# Altium PCB DIOT_PSU_integrated.PcbDoc (part 1 of 3) (continued)
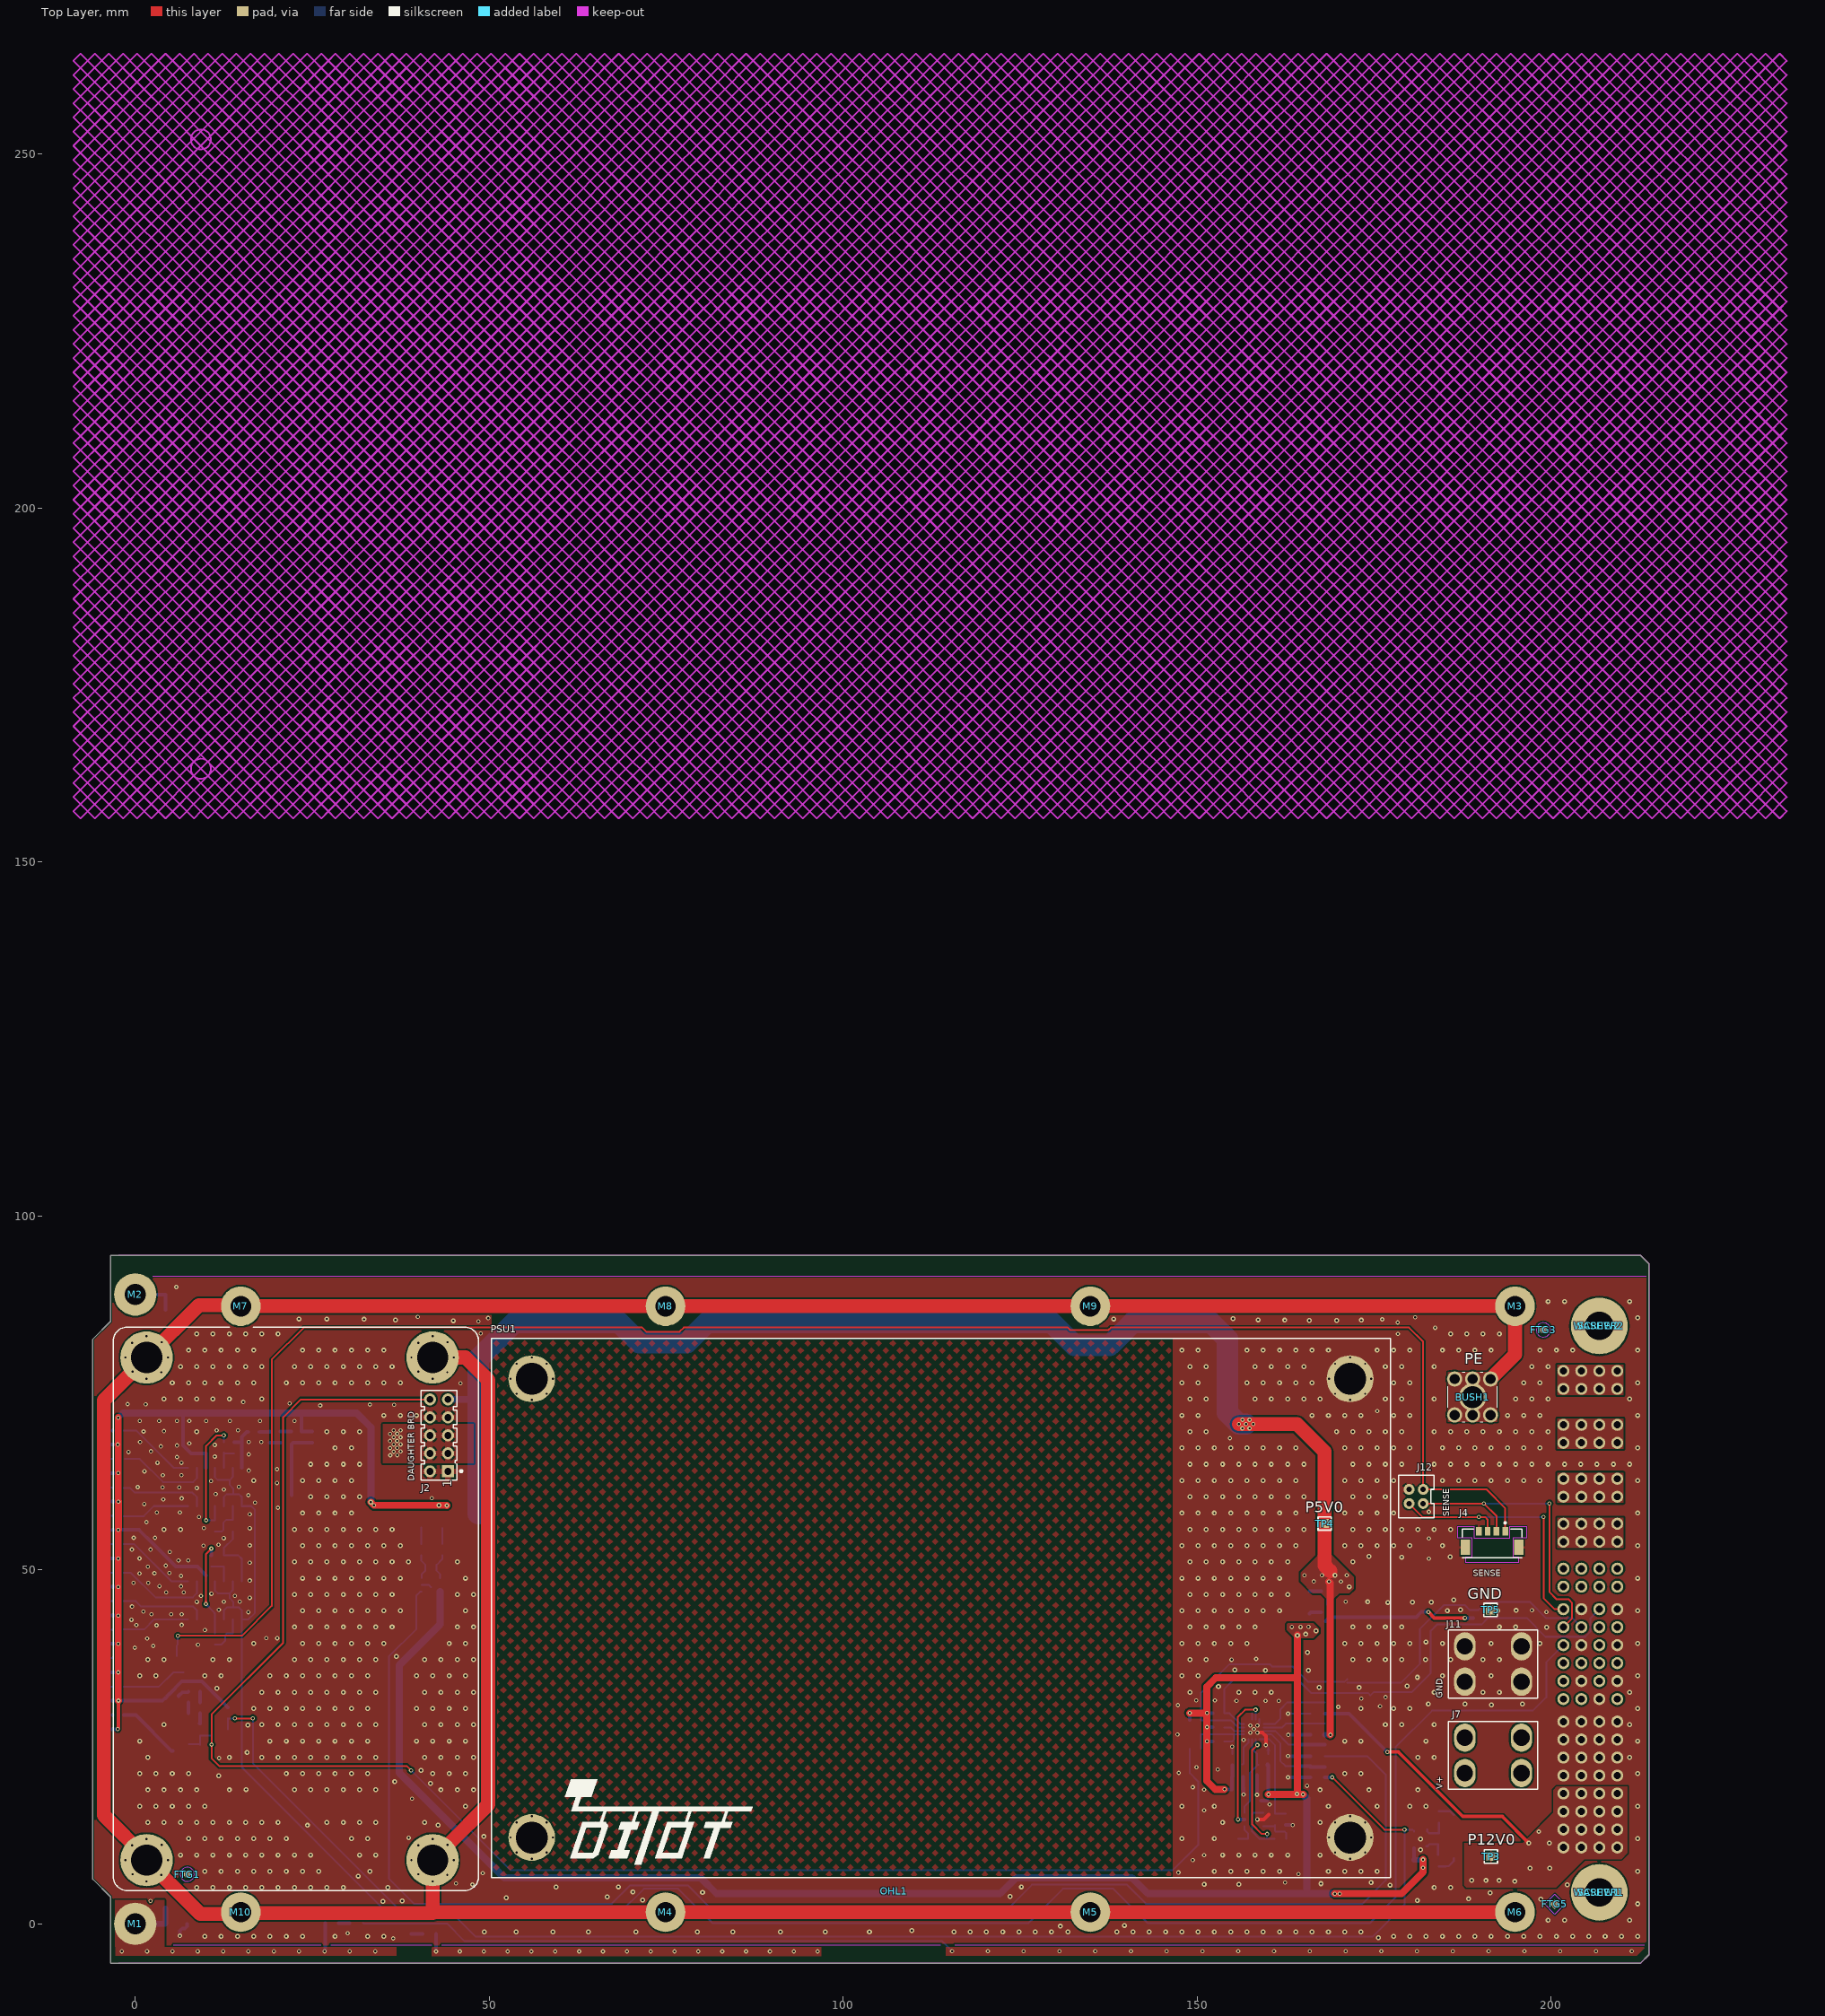
[diagram p0: Top Layer view]
## Part data
BUSH1: library part WURTH_7461057, "Bush", Manufacturer=WURTH, Manufacturer Part Number=7461057, Author="CERN DEM JLC", Component Type=Standard, ComponentHeight=6mm, CreateDate=13.08.2018, HelpURL=\\cern.ch\dfs\Applications\Altium\Datasheets\WURTH_7461057.pdf, LatestRevisionDate=13.08.2018, Mounted=Yes, PackageDescription="7x7x6mm REDCUBE Press-Fit with Internsl Threaded Hole M3,Two Rows Pin-Plate WP-BUTR", Part Description="REDCUBE Bush with Threaded Hole M3 and Two Rows Press-Fit Pin-Plate, WP-BUTR Series", Part Number=WURTH_7461057, Pin Count=6, PressFit=Yes, Sense=No, SMD=No, Socket=No, Status=None
C1 C2: library part CC1206_22PF_200V_1%_C0G_KEMET_C1206C220F2GAC, "Non-polarised capacitor", Case=1206, Manufacturer=KEMET, Manufacturer Part Number=C1206C220F2GAC, Tolerance=±1%, Voltage=200V, Author="CERN DEM HF", Component Type=Standard, ComponentHeight=1.8mm, CreateDate=11.07.2022, HelpURL=\\cern.ch\dfs\Applications\Altium\Datasheets\CC1206_KEMET_C1206C_C0G.pdf, LatestRevisionDate=11.07.2022, Mounted=Yes, Part Description="High Voltage, SMD Multilayer Chip Ceramic Capacitor", Part Number=CC1206_22PF_200V_1%_C0G_KEMET_C1206C220F2GAC, Pin Count=2, Sense=No, SMD=Yes, Socket=No, Status="Not Recommended", TC=C0G/NP0
C3 C4 C5 C12 C13 C16 C19 C21 C22 C23 C26 C27 C28 C29 C30 C31 C34: library part CC0603_100NF_50V_10%_X5R, "Non-polarised capacitor", Case=0603, Manufacturer=GENERIC, Manufacturer1 ComponentHeight=0.9mm, Manufacturer1 Example=TDK, Manufacturer1 Part Number=C1608X5R1H104K080, Tolerance=±10%, Voltage=50V, Author="CERN DEM MR", Component Type=Standard, CreateDate=08.01.2016, HelpURL=\\cern.ch\dfs\Applications\Altium\Datasheets\CC0603_X5R_TDK_C.pdf, LatestRevisionDate=08.01.2016, Manufacturer Part Number=CC0603_100NF_50V_10%_X5R, Mounted=Yes, Part Description="SMD Multilayer Chip Ceramic Capacitor", Part Number=CC0603_100NF_50V_10%_X5R, Pin Count=2, Sense=No, SMD=Yes, Socket=No, Status=None, TC=X5R
C14 C15 C20 C24 C32: library part CC0603_1UF_16V_10%_X7R, "Non-polarised capacitor", Case=0603, Manufacturer=GENERIC, Manufacturer1 ComponentHeight=0.9mm, Manufacturer1 Example="YAGEO PHYCOMP", Manufacturer1 Part Number=223878615663, Tolerance=±10%, Voltage=16V, Author="CERN DEM JLC", Component Type=Standard, CreateDate=03.12.2007, HelpURL=\\cern.ch\dfs\Applications\Altium\Datasheets\CC0603_X7R_PHYCOMP.pdf, LatestRevisionDate=17.04.2015, Manufacturer Part Number=CC0603_1UF_16V_10%_X7R, Mounted=Yes, Part Description="SMD Multilayer Chip Ceramic Capacitor", Part Number=CC0603_1UF_16V_10%_X7R, Pin Count=2, Sense=No, SMD=Yes, Socket=No, Status=None, TC=X7R
D1: "ESD protection diode", Case=SOD523, Manufacturer="NXP SEMICONDUCTORS", Power=330W, Voltage=3V3, Author="CERN DEM JLC", Bonding=No, Component Type=Standard, ComponentHeight=0.65mm, CreateDate=29.11.2012, Device=PESD3V3S1UB, HelpURL=\\cern.ch\dfs\Applications\Altium\Datasheets\PESD3V3S1UB.pdf, LatestRevisionDate=29.11.2012, Manufacturer Part Number=PESD3V3S1UB, Mounted=Yes, PackageDescription="Ultra Small Outline Diode Flat Lead (SOD-523), Body; 1.2mm L X 0.8mm W X 0.65mm H, IPC Medium Density", Part Description="ESD protection diode (23kV)", Part Number=PESD3V3S1UB, Pin Count=2, PressFit=No, Sense=No, SMD=Yes, Socket=No
D3: "10.5V Clamp 58.1A Ipp Tvs Diode Surface Mount SMB", Case=SMB, Manufacturer=Eaton, Power=600W, Voltage=15V, Author=LPA, Bonding=No, Component Type=Standard, ComponentHeight=2.61mm, CreateDate=2.04.2025, Device=P6SMB6-8A, HelpURL=https://www.eaton.com/content/dam/eaton/products/electronic-components/resources/data-sheet/eaton-p6smb-tvs-diode-power-esd-suppressor-data-sheet.pdf, LatestRevisionDate=2.04.2025, Manufacturer Part Number=P6SMB6-8A, Mounted=Yes, PackageDescription="DO-214-AA/SMB Diode, Molded Body; 5.40mm L X 3.62mm W X 2.61mm H, IPC Medium Density", Part Description="Uni-directional Transient Voltage Suppressor (TVS) Diode", Part Number=P6SMB6-8A, Pin Count=2, PressFit=No, Sense=No, SMD=Yes, Socket=No
D4: "Ultra Low Capacitance Double Rail-to-Rail ESD Protection Diode", Case=SOT143B, Manufacturer="NXP SEMICONDUCTORS", Voltage=5.5V, Author="CERN DEM JLC", Bonding=No, Component Type=Standard, ComponentHeight=1.1mm, CreateDate=22.03.2011, Device=PRTR5V0U2X, HelpURL=\\cern.ch\dfs\Applications\Altium\Datasheets\PRTR5V0U2X.pdf, LatestRevisionDate=22.03.2011, Manufacturer Part Number=PRTR5V0U2X, Mounted=Yes, PackageDescription="SOT143B, SOT, 1.90mm Pitch; 4 Pin, 1.30mm W X 2.90mm L X 1.10mm H body, IPC Medium Density", Part Description="Ultra Low Capacitance (1pF) Double Rail-to-Rail ESD Protection Diode (8kV)", Part Number=PRTR5V0U2X, Pin Count=4, PressFit=No, Sense=No, SMD=Yes, Socket=No
D5: "Transient Voltage Suppressor Diode (Uni-Directional)", Case=SMB, Manufacturer=LITTELFUSE, Power=600W, Voltage=15V, Author="CERN DEM JLC", Bonding=No, Component Type=Standard, ComponentHeight=2.61mm, CreateDate=12.07.2017, Device=P6SMB15A, HelpURL=\\cern.ch\dfs\Applications\Altium\Datasheets\P6SMB15A.pdf, LatestRevisionDate=12.07.2017, Manufacturer Part Number=P6SMB15A, Mounted=Yes, PackageDescription="DO-214-AA/SMB Diode, Molded Body; 5.40mm L X 3.62mm W X 2.61mm H, IPC Medium Density", Part Description="Uni-directional Transient Voltage Suppressor (TVS) Diode", Part Number=P6SMB15A, Pin Count=2, PressFit=No, Sense=No, SMD=Yes, Socket=No
FTG1 FTG2 FTG3 FTG4: library part FIDUCIAL_TARGET_C100-200, "Fiducial Target", Author="CERN DEM JLC", Component Type="Standard (No BOM)", ComponentHeight=0mm, CreateDate=09/02/2010, Family=Fiducial, HelpURL=Undefined, LatestRevisionDate=04/04/2012, Mounted=No, PackageDescription="Round Fiducial Target, Top Layer, 1.0mm, Top Solder 2.0mm, Keepout =2.0mm", Part Description="Round Fiducial Target, Top Layer, 1.0mm, Top Solder 2.0mm, Keepout =2.0mm", Part Number=FIDUCIAL_TARGET_C100-200, Pin Count=1, Sense=No, SMD=Yes, Socket=No, Status=None, Table=Pads
FTG5 FTG6: library part FIDUCIAL_TARGET_S100-200, "Fiducial Target", Author="CERN DEM JLC", Component Type="Standard (No BOM)", ComponentHeight=0mm, CreateDate=09.02.2010, Family=Fiducial, HelpURL=Undefined, LatestRevisionDate=04.04.2012, Mounted=No, PackageDescription="Square Fiducial Target, Top Layer, 1.0mm, Top Solder 2.0mm, Keepout =2.0mm", Part Description="Square Fiducial Target, Top Layer, 1.0mm, Top Solder 2.0mm, Keepout =2.0mm", Part Number=FIDUCIAL_TARGET_S100-200, Pin Count=1, Sense=No, SMD=Yes, Socket=No, Status=None
IC1 IC3: "Quad Operational Amplifier", Case=SOIC14, Manufacturer="TEXAS INSTRUMENTS", Author="CERN DEM JLC", Bonding=No, Component Type=Standard, ComponentHeight=1.75mm, CreateDate=09.03.2011, Device=LM339AD, HelpURL=\\cern.ch\dfs\Applications\Altium\Datasheets\LM339AD.pdf, LatestRevisionDate=09.03.2011, Manufacturer Part Number=LM339AD, Mounted=Yes, PackageDescription="SOIC 14, Pitch 1.27mm - Body 4x8.75mm, IPC Medium Density", Part Description="Quad Differential Comparator", Part Number=LM339AD, Pin Count=14, PressFit=No, Sense=No, SMD=Yes, Socket=No
IC2: "Precision Programmable Reference", Case=SOIC8, Manufacturer="TEXAS INSTRUMENTS", Author="CERN DEM JLC", Bonding=No, Component Type=Standard, ComponentHeight=1.75mm, CreateDate=18.01.2011, Device=TL431CD, HelpURL=\\cern.ch\dfs\Applications\Altium\Datasheets\TL431CD.pdf, LatestRevisionDate=28.02.2011, Manufacturer Part Number=TL431CD, Mounted=Yes, PackageDescription="SOIC 8, Pitch 1.27mm, Body 4x5mm, IPC Medium Density", Part Description="Vref (2.5V) To 36V 2% Precision Programmable Reference", Part Number=TL431CD, Pin Count=8, PressFit=No, Sense=No, SMD=Yes, Socket=No
IC6: "General Purpose Amplifier 1 Circuit Rail-to-Rail SOT-23-6", Case=SOT-23-6, Manufacturer="Texas Instruments", Manufacturer Part Number=TLV2780IDBVT, Part Number=ADS7924IRTE, Author=LPA, Component Type=Standard, ComponentHeight=1.45mm, CreateDate=2025-03-27, Device=TLV2780, HelpURL=https://www.ti.com/lit/ds/symlink/tlv2780.pdf?ts=1743037907792&ref_url=https%253A%252F%252Fwww.ti.com%252Fproduct%252FTLV2780%253FkeyMatch%253DTLV2780%2526tisearch%253Duniversal_search, LatestRevisionDate=2025-03-27, Mounted=Yes, PackageDescription="SOT-23 - 1.45 mm max height", Part Description="ADS7924 2.2 V, 12-Bit, 4-Channel, MicroPOWER", Pin Count=6, SMD=Yes, Socket=No, Table="Analog & Interface"
IC7: "1.7V-5.5V, 2K I2C™ Serial EEPROMs with EUI-48™ Node Identity", Case=SOIC8, Manufacturer="MICROCHIP TECHNOLOGY", Author="CERN DEM MR", Bonding=No, Component Type=Standard, ComponentHeight=1.75mm, CreateDate=19.07.2016, Device=24AA025E48-I/SN, HelpURL=\\cern.ch\dfs\Applications\Altium\Datasheets\24AA025E48-I-SN.pdf, LatestRevisionDate=19.07.2016, Manufacturer Part Number=24AA025E48-I/SN, Mounted=Yes, PackageDescription="SOIC 8, Pitch 1.27mm - Body 4x5mm, IPC Medium Density", Part Description="1.7V-5.5V, 2K I2C™ Serial EEPROMs with EUI-48™ Node Identity", Part Number=24AA025E48-I/SN, Pin Count=8, PressFit=No, Sense=No, SMD=Yes, Socket=No
IC8: library part ADS7924, "12 Bit Analog to Digital Converter 4 Input 1 SAR 16-WQFN (3x3)", Case=WQFN, Manufacturer="Texas Instruments", Manufacturer Part Number=ADS7924IRTET, Author=LPA, Component Type=Standard, ComponentHeight=0.8mm, CreateDate=2025-03-27, Device=ADS7924IRTE, HelpURL=https://www.ti.com/lit/ds/symlink/ads7924.pdf?ts=1742979903157&ref_url=https%253A%252F%252Fwww.google.com%252F, LatestRevisionDate=2025-03-27, Mounted=Yes, PackageDescription="PLASTIC QUAD FLATPACK - NO LEAD", Part Description="ADS7924 2.2 V, 12-Bit, 4-Channel, MicroPOWER", Part Number=ADS7924IRTE, Pin Count=16, SMD=Yes, Socket=No, Table="Analog & Interface"
IC9: "3-Terminal Regulator 1=OUT 2=GND 3=IN", Case=SOT89, Manufacturer="ST MICROELECTRONICS", Author="CERN DEM JLC", Bonding=No, Component Type=Standard, ComponentHeight=1.6mm, CreateDate=12.05.2014, Device=L78L33ACUTR, HelpURL=\\cern.ch\dfs\Applications\Altium\Datasheets\L78L33ACUTR.pdf, LatestRevisionDate=12.05.2014, Manufacturer Part Number=L78L33ACUTR, Mounted=Yes, PackageDescription="SOT89-3, 3-Leads, Body 2.44x4.5mm", Part Description="33V 100mA Positive Voltage Regulator", Part Number=L78L33ACUTR, Pin Count=4, PressFit=No, Sense=No, SMD=Yes, Socket=No
IC10 IC11: "Current Shunt Monitor -16V to +80V Common-Mode Range", Case=SOT23-5, Manufacturer="TEXAS INSTRUMENTS", Manufacturer Part Number=INA194AIDBV, Author="CERN DEM JLC", Bonding=No, Component Type=Standard, ComponentHeight=1.45mm, CreateDate=10.05.2010, Device=INA194AIDBVT, HelpURL=\\cern.ch\dfs\Applications\Altium\Datasheets\INA194AIDBVT.pdf, LatestRevisionDate=10.05.2010, Mounted=Yes, PackageDescription="SOT, 0.95mm Pitch; 5 Pin, 1.60mm W X 2.90mm L X 1.45mm H body, IPC Medium Density", Part Description="Current Shunt Monitor -16V to +80V Common-Mode Range", Part Number=INA194AIDBVT, Pin Count=5, PressFit=No, Sense=No, SMD=Yes, Socket=No
J1: library part AMPHENOL_51939-667, "Thru-Hole, Lead 3.43mm, PowerBlade Right Angled Power Connector 3ACP 2P 24S 4P Contacts", Manufacturer=AMPHENOL, Manufacturer Part Number=51939-667, Author="CERN DEM JLC", Component Type=Standard, ComponentHeight=12.57mm, CreateDate=05.03.2019, Family=PwrBlade, HelpURL=\\cern.ch\dfs\Applications\Altium\Datasheets\AMPHENOL_51939-667.pdf, LatestRevisionDate=05.03.2019, Mounted=Yes, Part Description="Right Angle PowerBlade Power Connector 3ACP + 2P + 24S + 4P Contacts", Part Number=AMPHENOL_51939-667, Pin Count=33, PressFit=No, Sense=No, SMD=No, Socket=No, Status=None
J2: library part SAMTEC_TSW-105-07-L-D-LL, "Connector 10 Male", Manufacturer=SAMTEC, Manufacturer Part Number=TSW-105-07-L-D-LL, Author="CERN DEM JLC", Component Type=Standard, ComponentHeight=8.38mm, CreateDate=23.01.2012, Family="Header 10", HelpURL=\\cern.ch\dfs\Applications\Altium\Datasheets\SAMTEC_TSW-105-07-L-D-LL.pdf, LatestRevisionDate=26.07.2012, Mounted=Yes, Part Description="10 Contacts, Pitch 2.54mm, Dual Row Through Mount  Straight Header with Locking Lead (Lead Length 2.54mm)", Part Number=SAMTEC_TSW-105-07-L-D-LL, Pin Count=10, PressFit=No, Sense=No, SMD=No, Socket=No, Status=None
J4: library part CMP-002-04657-2, "Connector Wire to Board Micro-Lock Plug 4 Position 1.25mm Straight Surface Mount Black"
J7 J11: "4 Pin Screw Terminal, Power Tap M3 Through Hole", Manufacturer="Amphenol Anytek", Author=LPA, Component Type=Standard, ComponentHeight=12mm, CreateDate=09.02.2025, Family=LOP-400, HelpURL=https://www.anytek.com.cn/Upload/AMT43015DB-ed7a3ffa30954f7d99d4bb13dc927db5.pdf, LatestRevisionDate=09.02.2025, Manufacturer Part Number=AMT0430015DB0000G, Mounted=Yes, Part Description="4 Pin Screw Terminal, Power Tap M3 Through Hole", Part Number=AMT0430015DB0000G, Pin Count=4, PressFit=No, Sense=No, SMD=No, Socket=No, Status=None
J8: "3 Rectangular Connectors - Housings Receptacle Natural 0.156\" (3.96mm)", Manufacturer="JST Sales America Inc.", Author=LPA, Component Type=Standard, CreateDate=09.02.2025, Family=VH, HelpURL=https://www.jst-mfg.com/product/pdf/eng/eVH.pdf, LatestRevisionDate=09.02.2025, Manufacturer Part Number=VHR-3N, Mounted=Yes, Part Description="3 Rectangular Connectors - Housings Receptacle Natural 0.156\" (3.96mm)", Part Number=VHR-3N, Pin Count=1, PressFit=No, Sense=No, SMD=No, Socket=No, Status=None
J9 J10: "Socket Contact Tin 16-20 AWG Crimp", Manufacturer="JST Sales America Inc.", Author=LPA, Component Type="Socket Contact", ComponentHeight=N/A, CreateDate=09.02.2025, Family=vh, HelpURL=https://www.jst-mfg.com/product/pdf/eng/eVH.pdf, LatestRevisionDate=09.02.2025, Manufacturer Part Number=SVH-41T-P1.1, Mounted=Yes, Part Description="Socket Contact Tin 16-20 AWG Crimp", Part Number=SVH-41T-P1.1, Pin Count=1, PressFit=No, Sense=No, SMD=No, Socket=No, Status=None
J12: Manufacturer="Hirose Electric Co Ltd", Author=LPA, Component Type=Standard, ComponentHeight=6.6mm, CreateDate=09.02.2025, Family=DF11, HelpURL=https://www.hirose.com/de/product/document?clcode=&productname=&series=DF11&documenttype=Catalog&lang=en&documentid=en_DF11_CAT, LatestRevisionDate=09.02.2025, Manufacturer Part Number=DF11-4DP-2DSA(01), Mounted=Yes, Part Description="Connector Header Through Hole 4 position 0.079\" (2.00mm)", Part Number=DF11-4DP-2DSA(01), Pin Count=1, PressFit=No, Sense=No, SMD=No, Socket=No, Status=None
J13 J16: "4 Rectangular Connectors - Housings Receptacle Black 0.079\" (2.00mm)", Manufacturer="Hirose Electric Co Ltd", Author=LPA, Component Type=Standard, ComponentHeight=7.3mm, CreateDate=09.02.2025, Family=DF11, HelpURL=https://www.hirose.com/de/product/document?clcode=&productname=&series=DF11&documenttype=Catalog&lang=en&documentid=en_DF11_CAT, LatestRevisionDate=09.02.2025, Manufacturer Part Number=DF11-4DS-2C, Mounted=Yes, Part Description="4 Rectangular Connectors - Housings Receptacle Black 0.079\" (2.00mm)", Part Number=DF11-4DS-2C, Pin Count=1, PressFit=No, Sense=No, SMD=No, Socket=No, Status=None
J23 J24 J25 J26: "Round Standoff Threaded M3 Steel 0.039\" (1.00mm)", Manufacturer="Würth Elektronik", Author=LPA, Component Type=Standard, ComponentHeight=6.6mm, CreateDate=09.02.2025, Family=WA-SMSR, HelpURL=https://www.we-online.com/en/components/products/SMSR_SMD_STEEL_SPACER_M3_THREAD_INTERNAL#9775066360R, LatestRevisionDate=09.02.2025, Manufacturer Part Number=9775066360R, Mounted=Yes, Part Description="Round Standoff Threaded M3 Steel 0.039\" (1.00mm)", Part Number=9775066360R, Pin Count=1, PressFit=No, Sense=No, SMD=No, Socket=No, Status=None
L1 L2: library part R0603_10R_0.1%_0.063W_10PPM, "Resistor - 0.1%"
L1 L2: library part IND_15UH_5%_COILCRAFT_0603LS, "Inductor With Core", Case=0603, Manufacturer=COILCRAFT, Manufacturer Part Number=0603LS-153XJL, Power=170mA, Resistance=7.1R, Tolerance=±5%, Author="CERN DEM JMW", Component Type=Standard, ComponentHeight=1.12mm, CreateDate=15.06.2015, HelpURL=\\cern.ch\dfs\Applications\Altium\Datasheets\IND_COILCRAFT_0603LS.pdf, LatestRevisionDate=15.06.2015, Mounted=Yes, Part Description="SMT Chip Inductor", Part Number=IND_15UH_5%_COILCRAFT_0603LS, Pin Count=2, Sense=No, SMD=Yes, Socket=No
LD1 LD11: library part LED_AVAGO_HSME-C120, "LED Green 1C 2A", Manufacturer="AVAGO TECHNOLOGIES", Manufacturer Part Number=HSME-C120, Author="CERN DEM JMW", Bonding=No, Color=Green, Component Type=Standard, ComponentHeight=0.7mm, ComponentLink1Description="Design Guide", ComponentLink1URL=\\cern.ch\dfs\Applications\Altium\Datasheets\LED_AVAGO_HSME-C110_DESIGN-GUIDE.pdf, CreateDate=22.07.2009, HelpURL=\\cern.ch\dfs\Applications\Altium\Datasheets\LED_AVAGO_HSME-C120.pdf, LatestRevisionDate=20.06.2012, Mounted=Yes, PackageDescription="Green Chip LED, 2-Leads, Body 1.7x1.1mm, Side Emitting Package", Part Description="High Performance Right Angle Chip Green LED", Part Number=LED_AVAGO_HSME-C120, Pin Count=2, PressFit=No, Sense=No, SMD=Yes, Socket=No
LD2 LD3 LD4 LD5 LD6 LD7 LD8 LD12 LD13: library part LED_AVAGO_HSMC-C120, "LED Red 1C 2A", Manufacturer="AVAGO TECHNOLOGIES", Manufacturer Part Number=HSMC-C120, Author="CERN DEM JMW", Bonding=No, Color=Red, Component Type=Standard, ComponentHeight=0.7mm, ComponentLink1Description="Design Guide", ComponentLink1URL=\\cern.ch\dfs\Applications\Altium\Datasheets\LED_AVAGO_HSMC-C120_DESIGN-GUIDE.pdf, CreateDate=22.07.2009, HelpURL=\\cern.ch\dfs\Applications\Altium\Datasheets\LED_AVAGO_HSMC-C120.pdf, LatestRevisionDate=20.06.2012, Mounted=Yes, PackageDescription="Red Chip LED, 2-Leads, Body 1.7x1.1mm, Side Emitting Package", Part Description="High Performance Right Angle Chip Red LED", Part Number=LED_AVAGO_HSMC-C120, Pin Count=2, PressFit=No, Sense=No, SMD=Yes, Socket=No
M1 M2: library part PLATED_HOLE3.0_PAD6.0, "Single Terminal Socket", Author="CERN DEM JLC", Component Type="Standard (No BOM)", ComponentHeight=0mm, CreateDate=26/05/2008, Family="Plated Hole", HelpURL=Undefined, LatestRevisionDate=26/05/2008, Mounted=No, PackageDescription="Plated Through Hole: Hole Dia.=3.0mm Pad Dia.=6.0mm", Part Description="Plated Through Hole: Hole Dia.=3.0mm Pad Dia.=6.0mm", Part Number=PLATED_HOLE3.0_PAD6.0, Pin Count=1, Sense=No, SMD=No, Socket=No, Status=None, Table=Pads
M3 M4 M5 M6 M7 M8 M9 M10: library part CMP-00028-00016-1, "Plated Hole for scre 2.5mm"
MP9 MP10 MP11 MP12: library part CMP-00028-00014-3, "WA-SMSR SMT Steel Spacer, Reverse M3 non Stop"
NUT1 NUT2: library part BOSSARD_BN628-1241443_v, "Nut", Manufacturer=BOSSARD, Manufacturer Part Number="BN628 Art.1241443", Author="CERN DEM JMW", Component Type=Mechanical, ComponentHeight=2.4mm, CreateDate=04.12.2015, HelpURL=\\cern.ch\dfs\Applications\Altium\Datasheets\BOSSARD_BN628-1241443.pdf, LatestRevisionDate=04.12.2015, Mounted=Yes, PackageDescription="M3 Hexagon Nut ~0,8d, ISO 4032, DIN 934, Stainless Steel A2", Part Description="M3 Hexagon Nut ~0,8d, ISO 4032, DIN 934, Stainless Steel A2", Part Number=BOSSARD_BN628-1241443_v, Pin Count=0, PressFit=No, Sense=No, SMD=No, Socket=No, Status=None
PSU1: library part LOP-400-12, "AC-DC low profile open frame power supply; 150% peak for 3s; 250W convection and 400W fan cooling; input 80~264Vac; output 12Vdc; wide operating temperature range -40°~+80°C; aux 12V/0.5A for external fan; industrial EN/UL62368-1, household EN/UL60335-1 and medical EN/UL60601-1 multi-field certification; suitable for class I and class II applications", Manufacturer=MEANWELL, Author=LPA, Component Type=Standard, ComponentHeight=27.5±1mm, CreateDate=08.02.2025, Family=LOP-400, HelpURL=https://www.meanwell.com/webapp/product/search.aspx?prod=LOP-400, LatestRevisionDate=08.02.2025, Manufacturer Part Number=LOP-400-12, Mounted=Yes, Part Description="Right Angle PowerBlade Power Connector 3ACP + 2P + 24S + 4P Contacts", Part Number=LOP-400-12, Pin Count=11, PressFit=No, Sense=No, SMD=No, Socket=No, Status=None
R1 R2: library part R0805_1M1_1%_0.125W_100PPM, "Resistor - 1%", Case=0805, Manufacturer=GENERIC, Manufacturer1 ComponentHeight=0.6mm, Manufacturer1 Example="NIC COMPONENT", Manufacturer1 Part Number=NRC10F1104TRF, Power=0.125W, Tolerance=±1%, Author="CERN DEM JLC", Component Type=Standard, CreateDate=03/12/2007, HelpURL=\\cern.ch\dfs\Applications\Altium\Datasheets\R0805_NIC_NRC.pdf, LatestRevisionDate=13/03/2008, Manufacturer Part Number=R0805_1M1_1%_0.125W_100PPM, Mounted=Yes, Part Description="General Purpose Thick Film Chip Resistor", Part Number=R0805_1M1_1%_0.125W_100PPM, Pin Count=2, PressFit=No, Sense=No, SMD=Yes, Socket=No, Status=Preferred, TC=±100ppm/°C
R3 R7 R8 R9 R15 R21 R23 R25 R27 R32 R35 R36 R38: library part R0603_1K_1%_0.1W_100PPM, "Resistor - 1%", Case=0603, Manufacturer=GENERIC, Manufacturer1 ComponentHeight=0.55mm, Manufacturer1 Example="NIC COMPONENT", Manufacturer1 Part Number=NRC06F1001TRF, Power=0.1W, Tolerance=±1%, Author="CERN DEM JLC", Component Type=Standard, CreateDate=03.12.2007, HelpURL=\\cern.ch\dfs\Applications\Altium\Datasheets\R0603_NIC_NRC.pdf, LatestRevisionDate=13.03.2008, Manufacturer Part Number=R0603_1K_1%_0.1W_100PPM, Mounted=Yes, Part Description="General Purpose Thick Film Chip Resistor", Part Number=R0603_1K_1%_0.1W_100PPM, Pin Count=2, PressFit=No, Sense=No, SMD=Yes, Socket=No, Status=Preferred, TC=±100ppm/°C
R4 R10 R11 R12 R13 R14 R16 R18 R22 R24 R26 R28 R30 R31 R33 R34 R37 R39 R40 R42 R43 R44 R45 R46 R47 R48 R49 R50 R51 R52 R53 R54 R55 R56 R57: library part R0603_10K_1%_0.1W_100PPM, "Resistor - 1%", Case=0603, Manufacturer=GENERIC, Manufacturer1 ComponentHeight=0.55mm, Manufacturer1 Example="NIC COMPONENT", Manufacturer1 Part Number=NRC06F1002TRF, Power=0.1W, Tolerance=±1%, Author="CERN DEM JLC", Component Type=Standard, CreateDate=03.12.2007, HelpURL=\\cern.ch\dfs\Applications\Altium\Datasheets\R0603_NIC_NRC.pdf, LatestRevisionDate=13.03.2008, Manufacturer Part Number=R0603_10K_1%_0.1W_100PPM, Mounted=Yes, Part Description="General Purpose Thick Film Chip Resistor", Part Number=R0603_10K_1%_0.1W_100PPM, Pin Count=2, PressFit=No, Sense=No, SMD=Yes, Socket=No, Status=Preferred, TC=±100ppm/°C
R5 R6 R20 R29: library part "R0805_4M7_1%_0.125W_100PPM_VISHAY_CRCW e3", "Resistor - 1%", Case=0805, Manufacturer=VISHAY, Manufacturer Part Number=CRCW08054M70FKEA, Power=0.125W, Tolerance=±1%, Author="CERN DEM BR", Component Type=Standard, ComponentHeight=0.5mm, CreateDate=27/05/2019, HelpURL="\\cern.ch\dfs\Applications\Altium\Datasheets\R0805_VISHAY_CRCW e3.pdf", LatestRevisionDate=27/05/2019, Mounted=Yes, Part Description="150V, Standard Thick Film Chip Resistor", Part Number="R0805_4M7_1%_0.125W_100PPM_VISHAY_CRCW e3", Pin Count=2, PressFit=No, Sense=No, SMD=Yes, Socket=No, Status=None, TC=±100ppm/°C
R17 R41: library part R0603_0R_JUMPER, "Resistor", Case=0603, Manufacturer=GENERIC, Manufacturer1 ComponentHeight=0.55mm, Manufacturer1 Example="NIC COMPONENT", Manufacturer1 Part Number=NRC06Z0, Author="CERN DEM JLC", Component Type=Standard, CreateDate=03.12.2007, HelpURL=\\cern.ch\dfs\Applications\Altium\Datasheets\R0603_NIC_NRC.pdf, LatestRevisionDate=13.03.2008, Manufacturer Part Number=R0603_0R_JUMPER, Mounted=Yes, Part Description="1A (0.05R Max DC Resistance) Zero Ohm Jumper", Part Number=R0603_0R_JUMPER, Pin Count=2, PressFit=No, Sense=No, SMD=Yes, Socket=No, Status=Preferred
R19: library part R1206_0R1_0.5%_0.5W_50PPM_OHMITE, "100 mOhms ±0.5% 0.5W, 1/2W Chip Resistor 1206 (3216 Metric) Current Sense Metal Foil", Case=1206, Manufacturer=Ohmite, Manufacturer Part Number=FC4TR100DER, Power=0.5W, Tolerance=±0.5%, Author=LPA, Component Type=Standard, ComponentHeight=0.89mm, CreateDate=02.04.2025, HelpURL=https://www.ohmite.com/assets/images/res-fc4t.pdf, LatestRevisionDate=02.04.2025, Mounted=Yes, Part Description="Power Metal Strip® Resistor, Low Value", Part Number=FC4TR100DER, Pin Count=4, PressFit=No, Sense=No, SMD=Yes, Socket=No, Status=None, TC=±50ppm/°C
R59 R60 R63 R64: library part R0603_50R_1%_0.1W_100PPM, "Resistor - 1%", Case=0603, Manufacturer=GENERIC, Manufacturer1 ComponentHeight=0.50mm, Manufacturer1 Example=VISHAY, Manufacturer1 Part Number=CRCW060350R0FKEA, Power=0.1W, Tolerance=±1%, Author="CERN DEM MR", Component Type=Standard, CreateDate=08.09.2017, HelpURL="\\cern.ch\dfs\Applications\Altium\Datasheets\R0603_VISHAY_CRCW e3.pdf", LatestRevisionDate=08.09.2017, Manufacturer Part Number=R0603_50R_1%_0.1W_100PPM, Mounted=Yes, Part Description="General Purpose Thick Film Chip Resistor", Part Number=R0603_50R_1%_0.1W_100PPM, Pin Count=2, PressFit=No, Sense=No, SMD=Yes, Socket=No, Status=Preferred, TC=±100ppm/°C
R62: library part R3637_0R001_1%_3W_50PPM_VISHAY_WSL3637, "Power and Current Sensing Resistor", Case=3637, Manufacturer="VISHAY DALE", Manufacturer Part Number=WSL36371L000FEA, Power=3W, Tolerance=±1%, Author="CERN DEM MR", Component Type=Standard, ComponentHeight=0.89mm, CreateDate=02.06.2016, HelpURL=\\cern.ch\dfs\Applications\Altium\Datasheets\R3637_VISHAY_WSL3637.pdf, LatestRevisionDate=02.06.2016, Mounted=Yes, Part Description="Power Metal Strip® Resistor, Low Value", Part Number=R3637_0R001_1%_3W_50PPM_VISHAY_WSL3637, Pin Count=4, PressFit=No, Sense=No, SMD=Yes, Socket=No, Status=None, TC=±75ppm/°C
SCREW1 SCREW2: library part BOSSARD_BN5687-3061608_v, "Screw", Manufacturer=BOSSARD, Manufacturer Part Number="BN5687 Art.3061608", Author="CERN DEM JLC", Component Type=Mechanical, ComponentHeight=12.4mm, CreateDate=22.08.2013, HelpURL=\\cern.ch\dfs\Applications\Altium\Datasheets\BOSSARD_BN5687-3061608.pdf, LatestRevisionDate=22.08.2013, Mounted=Yes, PackageDescription="M3 L=10mm Hexalobular Socket Pan Head Screw, Fully Threaded - Stainless Steel A2", Part Description="M3 L=10mm Hexalobular Socket Pan Head Screw, Fully Threaded, Stainless Steel A2", Part Number=BOSSARD_BN5687-3061608_v, Pin Count=0, PressFit=No, Sense=No, SMD=No, Socket=No, Status=None
T1 T3: "N-CHANNEL MOSFET WITH DIODE", Case=SOT23-3, Manufacturer="ON SEMICONDUCTOR", Author="CERN DEM JLC", Bonding=No, Component Type=Standard, ComponentHeight=1.11mm, CreateDate=23.03.2009, Device=BSS138LT1G, HelpURL=\\cern.ch\dfs\Applications\Altium\Datasheets\BSS138LT1G.pdf, LatestRevisionDate=23.03.2009, Manufacturer Part Number=BSS138LT1G, Mounted=Yes, PackageDescription="SOT23 3-Leads, Pitch 0.95mm - Body 1.4x3mm, IPC Medium Density", Part Description="50V 200mA N-Channel Enhancement Mode Field-Effect Transistor", Part Number=BSS138LT1G, Pin Count=3, PressFit=No, Sense=No, SMD=Yes, Socket=No
T2: "N-CHANNEL MOSFET WITH DIODE", Case=SOT23-3, Manufacturer="ON SEMICONDUCTOR", Manufacturer Part Number=BSS138L, Author="CERN DEM JLC", Bonding=No, Component Type=Standard, ComponentHeight=1.11mm, CreateDate=23.03.2009, Device=BSS138LT1G, HelpURL=\\cern.ch\dfs\Applications\Altium\Datasheets\BSS138LT1G.pdf, LatestRevisionDate=25.05.2022, Mounted=Yes, PackageDescription="SOT23, 0.95mm Pitch; 3 Pin, 1.40mm W X 3.00mm L X 1.10mm H body, IPC Medium Density", Part Description="50V, 200mA N-Channel Enhancement Mode Field-Effect Transistor", Part Number=BSS138LT1G, Pin Count=3, PressFit=No, Sense=No, SMD=Yes, Socket=No
TP1 TP2 TP3 TP4 TP5: library part SMD_PAD_1.27X1.27MM, Author="CERN DEM JLC", Component Type="Standard (No BOM)", ComponentHeight=0mm, CreateDate=12.01.2008, Family="Test Point", HelpURL=Undefined, LatestRevisionDate=12.01.2008, Mounted=No, PackageDescription="1.27mm x 1.27mm PCB Copper Area (SMD Test Point)", Part Description="1.27mm x 1.27mm PCB Copper Area (SMD Test Point)", Part Number=SMD_PAD_1.27X1.27MM, Pin Count=1, Sense=No, SMD=Yes, Socket=No, Status=None
WASHER1 WASHER2: library part BOSSARD_BN83728-8243964_v, "Washer", Manufacturer=BOSSARD, Manufacturer Part Number="BN83728 Art.8243964", Author="CERN DEM JLC", Component Type=Mechanical, ComponentHeight=0.4mm, CreateDate=27.04.2017, HelpURL=\\cern.ch\dfs\Applications\Altium\Datasheets\BOSSARD_BN83728-8243964.pdf, LatestRevisionDate=27.04.2017, Mounted=Yes, PackageDescription="Waved Spring Washer for M3 Screw, Steel 440-520 HV, Zinc Plated Blue", Part Description="Waved Spring Washer for M3 Screw - Steel 440-520 HV - Zinc Plated Blue", Part Number=BOSSARD_BN83728-8243964_v, Pin Count=0, PressFit=No, Sense=No, SMD=No, Socket=No, Status=None
OHL1: Author="CERN DEM HF", Component Type="Standard (No BOM)", ComponentHeight=0mm, CreateDate=03.12.2021, HelpURL=Undefined, LatestRevisionDate=03.12.2021, Mounted=No, OHL_License="OHL-W v2.0+", OHL_Version="OHL v2.0", PackageDescription="Texte Copyright Cern", Part Description="Copyright CERN", Part Number=CERN_OHL, Pin Count=0, Sense=No, SMD=No, Socket=No, Status=None

## Via types
v1: diameter 0.7, hole 0.3, Top Layer to Bottom Layer, tented both sides, 723 vias
v2: diameter 0.6, hole 0.3, Top Layer to Bottom Layer, tented both sides, 288 vias
v3: diameter 0.7, hole 0.3, Top Layer to Bottom Layer, 131 vias
v4: diameter 0.6, hole 0.3, Top Layer to Bottom Layer, 20 vias
v5: diameter 0.6, hole 0.3, Top Layer to Bottom Layer, tented top, 5 vias

## Nets (pads, with @x,y where several pads share a name; then routed paths per layer and width w, separated by ;. In a path a pad name is that pad's centre, name@x,y a point inside that pad or via, vN(x,y) a via of type N, cw(c..) or ccw(c..) an arc to the next point about the centre after c; other vN are vias at no path point)
0.825V: IC3.7 R22.1 R39.2 | length 9.8
  Bottom Layer w0.254: R39.2@13.75,55.45 13.75,54.322 12.5,53.072 R22.1@12.5,52.05 14.553,52.05 15.045,51.558 IC3.7@15.045,48.4
0.4125V: IC3.11 R24.2 R26.1 | length 13.8
  Top Layer w0.254: v2(9.973,45.172) 9.973,52.239 v2(10.738,53.004)
  Bottom Layer w0.254: v2(9.973,45.172) 11.235,43.91 IC3.11@11.235,43 11.25,42.985 R26.1@11.25,41.05
  Bottom Layer w0.508: v2(10.738,53.004) 10.738,52.062 R24.2@10.75,52.05
1.65V: IC1.7 R13.2 R14.1 | length 6.6
  Bottom Layer w0.508: R14.1@14,68.05 15.045,68.05 ; IC1.7@15.045,64.4 15.045,68.05 ; R13.2@15.95,69.5 15.763,69.5 15.045,68.782 15.045,68.05
1.2375V: IC1.11 R16.2 R37.1 | length 17.8
  Top Layer w0.254: v2(10,57) 10,67.5 11.5,69 v2(12.5,69)
  Bottom Layer w0.254: v2(10,57) 11.2,57 R37.1@11.25,57.05 11.25,58.985 IC1.11@11.235,59 ; R16.2@12.5,68.05 v2(12.5,69)
+5V: C30.1 IC8.9 R53.2 R57.2 | length 10.6
  Bottom Layer w0.254: IC8.9@159.4,28.25 159.958,28.25 ; 159.958,28.258 161.008,28.258 161.75,29 161.75,30.325 162.725,31.3 C30.1@164,31.3 R57.2@166,31.3 R53.2@168,31.3
+5V_I: C28.1 IC8.11 R51.2 R55.2 | length 9.4
  Bottom Layer w0.254: IC8.11@159.4,27.25 161,27.25 162.95,25.3 C28.1@164,25.3
  Bottom Layer w0.508: C28.1@164,25.3 R55.2@166,25.3 R51.2@168,25.3
+12V: C29.1 IC8.10 R52.2 R56.2 | length 8.8
  Bottom Layer w0.254: IC8.10@159.4,27.75 162,27.75 162.525,28.275 C29.1@164,28.275 167.975,28.275 R52.2@168,28.3
+12V_I: C27.1 IC8.12 R46.2 R54.2 | length 11.9
  Bottom Layer w0.254: IC8.12@159.4,26.75 160.5,26.75 161.735,25.515 161.735,23.015 162.45,22.3 C27.1@164,22.3
  Bottom Layer w0.508: C27.1@164,22.3 R54.2@166,22.3 ; R54.2@166.009,22.182 R46.2@168.009,22.182
AVDD: C23.1 C31.1 IC6.6 IC8.15 L1.2 | length 11.6
  Bottom Layer w0.254: IC6.6@156.65,15.7 156.65,16.557 157.095,17.002 157.102,17.002 157.45,17.35 C23.1@157.45,17.357 ; C23.1@157.45,17.375 157.45,21.34 158.12,22.01 158.131,22.01 158.479,22.358 L1.2@158.61,22.489 ; IC8.15@157.75,26.1 157.75,24.7 C31.1@158.45,24 ; L1.2@158.454,22.383 C31.1@158.454,23.996
CHASSIS: C1.1 C2.1 M1.1 M2.1 R1.1 R2.1 R29.2 | length 16.8
  Bottom Layer w0.5: M2.1@0,88.9 C2.1@4.3,88.9 4.298,88.898 R2.1@4.298,86.729 ; v2(26.722,-3.885) 26.722,-3.858 26.852,-3.728 R29.2@26.852,0.098
  Bottom Layer w0.8: M1.1@0,0 C1.1@4.2,0 ; C1.1@4.265,0.035 4.282,0.053 4.282,2.131 R1.1@4.265,2.149
  other v2: -1.918,-3.885 1.662,-3.885 5.242,-3.885 8.822,-3.885 12.402,-3.885 15.982,-3.885 19.562,-3.885 23.142,-3.885 30.302,-3.885 33.882,-3.885
DVDD: C5.1 IC8.16 L2.1 | length 4
  Bottom Layer w0.254: L2.1@156.39,22.5 156.55,22.66 C5.1@156.55,24 156.55,24.9 157.25,25.6 IC8.16@157.25,26.1
F_IO0: J1.B2
F_IO1: J1.B3
F_RST: J1.A2